# KiCad board SparkFun_GNSS_HAT+_panelized.kicad_pcb (continued)
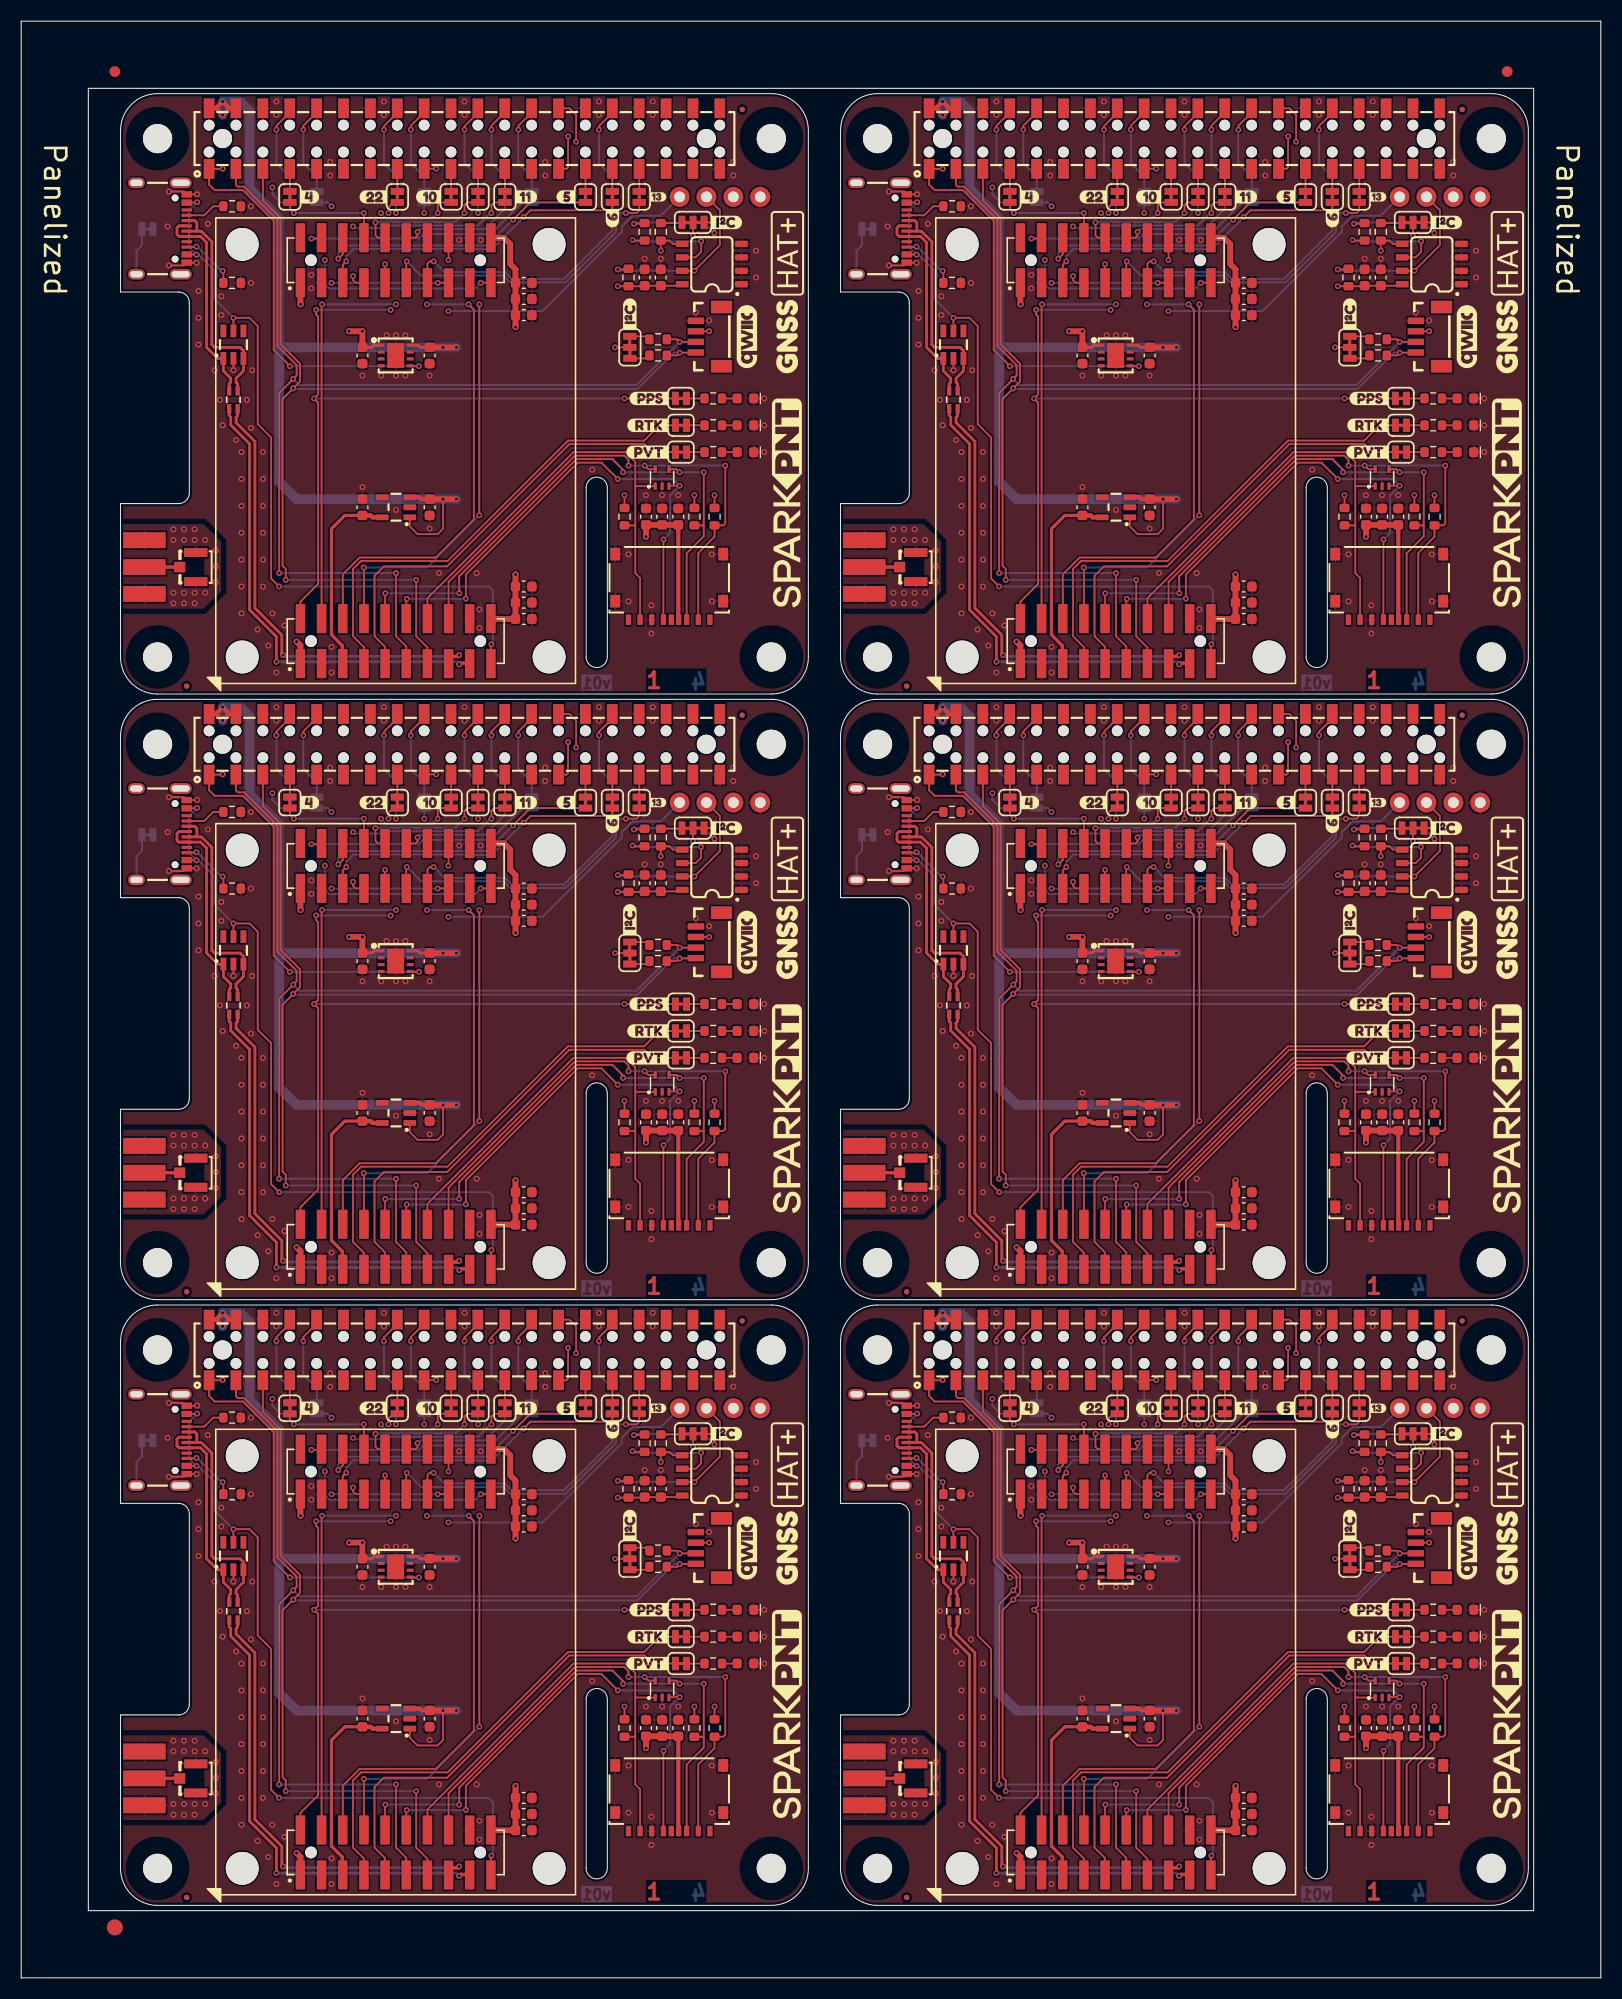
[diagram p0: board, top side]
## Routing (per net, layer and track width the routed paths; a pad name or vN(x,y) marks a point on that pad's centre or on a via; arc(x,y) is an arc through that point) (continued)
Pi_3V3: length 382.4
  Top w0.178: v1(87.08,113.76) 87.06,113.73 J1#6.1 85.8,112.25 86.32,111.72 88.99,111.72 91.91,108.8 91.91,96.61 v1(93.43,95.09) ; v1(39.23,113.76) 38.1,113.76 J1.17 ; J1#6.17 106.14,113.76 v1(107.28,113.76) ; v1(37.58,37.84) 36.8,37.84 36.76,37.88 ; 104.81,37.88 104.84,37.84 v1(105.62,37.84) ; U2#3.5 104.84,95.09 v1(105.62,95.09) ; v1(39.23,171.01) 38.1,171.01 J1#2.17 ; v1(93.43,37.84) 91.91,39.36 91.91,51.55 88.99,54.48 86.32,54.48 85.8,55 J1#3.1 87.06,56.48 v1(87.08,56.51) ; v1(25.39,95.09) 23.87,96.61 23.87,108.8 20.95,111.72 18.28,111.72 17.76,112.25 J1.1 19.02,113.73 v1(19.04,113.76) ; J1#4.17 38.1,56.51 v1(39.23,56.51) ; v1(107.28,171.01) 106.14,171.01 J1#5.17 ; v1(93.43,152.34) 91.91,153.86 91.91,166.05 88.99,168.97 86.32,168.97 85.8,169.5 J1#5.1 87.06,170.99 v1(87.08,171.01) ; v1(105.62,152.34) 104.84,152.34 U2.5 ; v1(37.58,95.09) 36.8,95.09 U2#6.5 ; v1(107.28,56.51) 106.14,56.51 J1#3.17 ; v1(25.39,37.84) 23.87,39.36 23.87,51.55 20.95,54.48 18.28,54.48 17.76,55 J1#4.1 19.02,56.48 v1(19.04,56.51) ; v1(19.04,171.01) 19.02,170.99 J1#2.1 17.76,169.5 18.28,168.97 20.95,168.97 23.87,166.05 23.87,153.86 v1(25.39,152.34) ; v1(37.58,152.34) 36.8,152.34 U2#2.5
  In2.Cu w0.178: v1(39.23,56.51) 39.11,56.63 39.11,58.92 38.73,59.3 24.5,59.3 24.12,58.92 24.12,57.14 23.49,56.51 v1(19.04,56.51) ; v1(39.23,171.01) 39.11,171.13 39.11,173.42 38.73,173.8 24.5,173.8 24.12,173.42 24.12,171.64 23.49,171.01 v1(19.04,171.01) ; v1(39.23,113.76) 39.11,113.88 39.11,116.17 38.73,116.55 24.5,116.55 24.12,116.17 24.12,114.39 23.49,113.76 v1(19.04,113.76) ; v1(87.08,171.01) 91.53,171.01 92.16,171.64 92.16,173.42 92.54,173.8 106.77,173.8 107.15,173.42 107.15,171.13 v1(107.28,171.01) ; v1(87.08,113.76) 91.53,113.76 92.16,114.39 92.16,116.17 92.54,116.55 106.77,116.55 107.15,116.17 107.15,113.88 v1(107.28,113.76) ; v1(107.28,56.51) 107.15,56.63 107.15,58.92 106.77,59.3 92.54,59.3 92.16,58.92 92.16,57.14 91.53,56.51 v1(87.08,56.51)
  Bottom w0.178: v1(105.62,152.34) v1(93.43,152.34) ; v1(105.62,95.09) v1(93.43,95.09) ; v1(37.58,152.34) v1(25.39,152.34) ; v1(25.39,95.09) v1(37.58,95.09) ; v1(25.39,37.84) v1(37.58,37.84) ; v1(105.62,37.84) v1(93.43,37.84)
PPS1: length 493.9
  Top w0.178: JP6#6.1 35.16,53.32 34.71,52.87 v1(34.71,52.32) ; v1(95.91,43.17) 95.91,42.73 96.1,42.54 96.1,35.17 v1(95.72,34.79) 96.1,34.41 96.1,17.26 94.43,15.59 J2#6.2 ; J2#2.2 26.39,72.84 28.06,74.51 28.06,91.66 v1(27.68,92.04) 28.06,92.42 28.06,99.79 27.87,99.98 v1(27.87,100.42) ; v1(27.87,43.17) 27.87,42.73 28.06,42.54 28.06,35.17 v1(27.68,34.79) 28.06,34.41 28.06,17.26 26.39,15.59 J2#3.2 ; JP6#2.1 103.2,167.82 102.75,167.37 v1(102.75,166.82) ; 94.43,128.47 94.43,130.09 96.1,131.76 96.1,148.91 v1(95.72,149.29) 96.1,149.67 96.1,157.04 95.91,157.23 v1(95.91,157.67) ; 26.39,128.47 26.39,130.09 28.06,131.76 28.06,148.91 v1(27.68,149.29) 28.06,149.67 28.06,157.04 27.87,157.23 v1(27.87,157.67) ; JP22#4.1 v1(57.01,92.04) ; JP22#5.1 v1(125.06,92.04) ; v1(34.71,166.82) 34.71,167.37 35.16,167.82 JP6#3.1 ; JP22.1 v1(125.06,149.29) ; JP6#5.1 35.16,110.57 34.71,110.12 v1(34.71,109.57) ; J2#5.2 94.43,72.84 96.1,74.51 96.1,91.66 v1(95.72,92.04) 96.1,92.42 96.1,99.79 95.91,99.98 v1(95.91,100.42) ; JP6#4.1 103.2,53.32 102.75,52.87 v1(102.75,52.32) ; JP6.1 103.2,110.57 102.75,110.12 v1(102.75,109.57) ; JP22#6.1 v1(57.01,149.29) ; JP22#2.1 v1(57.01,34.79) ; JP22#3.1 v1(125.06,34.79)
  In2.Cu w0.178: v1(34.92,43.16) 34.9,43.17 34.9,52.12 v1(34.71,52.32) ; v1(102.75,166.82) 102.94,166.62 102.94,157.67 v1(102.96,157.66) ; v1(102.75,109.57) 102.94,109.37 102.94,100.42 v1(102.96,100.41) ; v1(102.75,52.32) 102.94,52.12 102.94,43.17 v1(102.96,43.16) ; v1(34.71,166.82) 34.9,166.62 34.9,157.67 v1(34.92,157.66) ; v1(34.92,100.41) 34.9,100.42 34.9,109.37 v1(34.71,109.57)
  Bottom w0.178: v1(102.96,43.16) 95.92,43.16 v1(95.91,43.17) ; v1(125.06,149.29) v1(95.72,149.29) ; v1(34.92,43.16) 27.88,43.16 v1(27.87,43.17) ; v1(27.87,100.42) 27.88,100.41 v1(34.92,100.41) ; v1(102.96,157.66) 95.92,157.66 v1(95.91,157.67) ; v1(95.91,100.42) 95.92,100.41 v1(102.96,100.41) ; v1(57.01,149.29) v1(27.68,149.29) ; v1(57.01,34.79) v1(27.68,34.79) ; v1(125.06,92.04) v1(95.72,92.04) ; v1(57.01,92.04) v1(27.68,92.04) ; v1(125.06,34.79) v1(95.72,34.79) ; v1(34.92,157.66) 27.88,157.66 v1(27.87,157.67)
PPS2: length 278.4
  Top w0.178: v1(28.44,100.93) 28.39,100.88 J2#2.4 ; v1(96.48,100.93) 96.43,100.88 J2#5.4 ; J2#3.4 28.39,43.63 v1(28.44,43.68) ; 96.43,128.47 96.43,158.13 v1(96.48,158.18) ; v1(96.48,43.68) 96.43,43.63 J2#6.4 ; v1(28.44,158.18) 28.39,158.13 28.39,128.47
  In2.Cu w0.178: v1(103.47,100.93) v1(103.47,109.57) ; v1(103.47,158.18) v1(103.47,166.82) ; v1(35.42,100.93) v1(35.42,109.57) ; v1(35.42,158.18) v1(35.42,166.82) ; v1(103.47,43.68) v1(103.47,52.32) ; v1(35.42,43.68) v1(35.42,52.32)
  Bottom w0.178: v1(28.44,43.68) v1(35.42,43.68) ; v1(103.47,166.82) 103.47,167.69 JP7#4.1 ; JP7#6.1 35.42,53.19 v1(35.42,52.32) ; v1(96.48,158.18) v1(103.47,158.18) ; v1(28.44,158.18) v1(35.42,158.18) ; JP7.1 35.42,110.44 v1(35.42,109.57) ; v1(96.48,43.68) v1(103.47,43.68) ; v1(96.48,100.93) v1(103.47,100.93) ; v1(103.47,52.32) 103.47,53.19 JP7#2.1 ; JP7#5.1 103.47,110.44 v1(103.47,109.57) ; v1(28.44,100.93) v1(35.42,100.93) ; v1(35.42,166.82) 35.42,167.69 JP7#3.1
PVT_LED: length 255.7
  Top w0.178: J2.9 102.43,125.81 101.43,126.81 101.43,132.53 102.32,133.41 108.29,133.41 119.85,144.97 126.96,144.97 127.72,144.21 JP21#6.1 ; 102.43,66.98 102.43,68.56 101.43,69.56 101.43,75.28 102.32,76.16 108.29,76.16 119.85,87.72 126.96,87.72 127.72,86.96 JP21#4.1 ; J2#6.9 102.43,11.31 101.43,12.31 101.43,18.03 102.32,18.92 108.29,18.92 119.85,30.47 126.96,30.47 127.72,29.71 JP21#3.1 ; JP21#2.1 59.68,29.71 58.92,30.47 51.81,30.47 40.25,18.92 34.28,18.92 33.39,18.03 33.39,12.31 34.39,11.31 J2#3.9 ; JP21#5.1 59.68,86.96 58.92,87.72 51.81,87.72 40.25,76.16 34.28,76.16 33.39,75.28 33.39,69.56 34.39,68.56 34.39,66.98 ; JP21.1 59.68,144.21 58.92,144.97 51.81,144.97 40.25,133.41 34.28,133.41 33.39,132.53 33.39,126.81 34.39,125.81 J2#4.9
RTK_LED: length 272.7
  Top w0.178: JP20#4.1 60.32,32.25 58.87,30.8 51.67,30.8 40.29,19.42 32.12,19.42 31.36,18.66 31.36,12.31 32.39,11.28 J2#3.7 ; JP20#6.1 128.36,146.75 126.91,145.3 119.71,145.3 108.33,133.92 100.16,133.92 99.4,133.16 99.4,126.81 100.43,125.78 J2.7 ; J2#6.7 100.43,11.28 99.4,12.31 99.4,18.66 100.16,19.42 108.33,19.42 119.71,30.8 126.91,30.8 128.36,32.25 JP20#2.1 ; JP20#3.1 60.32,146.75 58.87,145.3 51.67,145.3 40.29,133.92 32.12,133.92 31.36,133.16 31.36,126.81 32.39,125.78 J2#4.7 ; 32.39,66.98 32.39,68.53 31.36,69.56 31.36,75.91 32.12,76.67 40.29,76.67 51.67,88.05 58.87,88.05 60.32,89.5 JP20#5.1 ; JP20.1 128.36,89.5 126.91,88.05 119.71,88.05 108.33,76.67 100.16,76.67 99.4,75.91 99.4,69.56 100.43,68.53 100.43,66.98
RTS2: length 88.7
  Top w0.178: v1(34.38,161.99) 34.38,160.23 J4#3.9 ; v1(107.4,52.32) 107.4,53.2 107.52,53.32 JP16#2.2 ; v1(39.36,109.57) 39.36,110.45 39.48,110.57 JP16#4.2 ; J4#2.9 34.38,45.73 v1(34.38,47.49) ; v1(102.42,47.49) 102.42,45.73 J4#5.9 ; JP16#5.2 107.52,110.57 107.4,110.45 v1(107.4,109.57) ; J4#6.9 102.42,102.98 v1(102.42,104.74) ; JP16#3.2 39.48,53.32 39.36,53.2 v1(39.36,52.32) ; v1(39.36,166.82) 39.36,167.71 39.48,167.82 JP16.2 ; J4.9 34.38,102.98 v1(34.38,104.74) ; JP16#6.2 107.52,167.82 107.4,167.71 v1(107.4,166.82) ; v1(102.42,161.99) 102.42,160.23 J4#4.9
  In2.Cu w0.178: v1(34,109.57) 34,105.12 v1(34.38,104.74) ; v1(34.38,161.99) 34,162.37 v1(34,166.82) ; v1(102.04,52.32) 102.04,47.87 v1(102.42,47.49) ; v1(102.04,166.82) 102.04,162.37 v1(102.42,161.99) ; v1(34.38,47.49) 34,47.87 v1(34,52.32) ; v1(102.04,109.57) 102.04,105.12 v1(102.42,104.74)
  Bottom w0.178: v1(107.4,166.82) 106.88,166.29 105.89,166.29 105.88,166.31 105.86,166.29 102.54,166.29 102.04,166.79 v1(102.04,166.82) ; v1(102.04,109.57) 102.04,109.54 102.54,109.04 105.86,109.04 105.88,109.06 105.89,109.04 106.88,109.04 v1(107.4,109.57) ; v1(34,109.57) 34,109.54 34.5,109.04 37.82,109.04 37.84,109.06 37.85,109.04 38.84,109.04 v1(39.36,109.57) ; v1(34,52.32) 34,52.29 34.5,51.79 37.82,51.79 37.84,51.81 37.85,51.79 38.84,51.79 v1(39.36,52.32) ; v1(107.4,52.32) 106.88,51.79 105.89,51.79 105.88,51.81 105.86,51.79 102.54,51.79 102.04,52.29 v1(102.04,52.32) ; v1(39.36,166.82) 38.84,166.29 37.85,166.29 37.84,166.31 37.82,166.29 34.5,166.29 34,166.79 v1(34,166.82)
RTS3: length 181.8
  Top w0.178: v1(47.49,51.94) 48.12,52.57 55.75,52.57 55.87,52.7 JP12#2.2 ; v1(115.53,166.44) 116.16,167.07 123.78,167.07 123.91,167.2 JP12#6.2 ; J4#3.5 30.39,161.91 v1(30.73,162.24) ; v1(47.49,109.19) 48.12,109.82 55.75,109.82 55.87,109.95 JP12#3.2 ; v1(98.77,104.99) 98.43,104.66 J4#6.5 ; v1(30.73,47.74) 30.39,47.41 J4#2.5 ; v1(30.73,104.99) 30.39,104.66 J4.5 ; v1(98.77,162.24) 98.43,161.91 J4#4.5 ; v1(115.53,51.94) 116.16,52.57 123.78,52.57 123.91,52.7 JP12#5.2 ; v1(47.49,166.44) 48.12,167.07 55.75,167.07 55.87,167.2 JP12.2 ; JP12#4.2 123.91,109.95 123.78,109.82 116.16,109.82 v1(115.53,109.19) ; J4#5.5 98.43,47.41 v1(98.77,47.74)
  Bottom w0.178: v1(98.77,162.24) 98.77,162.75 99.44,163.42 111.05,163.42 111.08,163.39 112.48,163.39 v1(115.53,166.44) ; v1(47.49,166.44) 44.44,163.39 43.04,163.39 43.01,163.42 31.4,163.42 30.73,162.75 v1(30.73,162.24) ; v1(98.77,47.74) 98.77,48.25 99.44,48.92 111.05,48.92 111.08,48.89 112.48,48.89 v1(115.53,51.94) ; v1(115.53,109.19) 112.48,106.14 111.08,106.14 111.05,106.17 99.44,106.17 98.77,105.5 v1(98.77,104.99) ; v1(30.73,104.99) 30.73,105.5 31.4,106.17 43.01,106.17 43.04,106.14 44.44,106.14 v1(47.49,109.19) ; v1(47.49,51.94) 44.44,48.89 43.04,48.89 43.01,48.92 31.4,48.92 30.73,48.25 v1(30.73,47.74)
RXD1: length 191.7
  Top w0.178: v1(111.47,102.96) 111.48,102.97 J4#6.19 ; J4#5.19 111.48,45.73 v1(111.47,45.71) ; v1(43.43,160.21) 43.44,160.22 J4#3.19 ; J4#4.19 111.48,160.22 v1(111.47,160.21) ; v1(43.43,102.96) 43.44,102.97 J4.19 ; v1(43.43,45.71) 43.44,45.73 J4#2.19
  In2.Cu w0.178: v1(91.78,169.23) 92.92,168.09 96.48,168.09 96.73,167.83 v1(96.73,162.37) ; v1(91.78,111.98) 92.92,110.84 96.48,110.84 96.73,110.58 v1(96.73,105.12) ; v1(28.69,105.12) 28.69,110.58 28.44,110.84 24.88,110.84 v1(23.74,111.98) ; v1(28.69,47.87) 28.69,53.33 28.44,53.59 24.88,53.59 v1(23.74,54.73) ; v1(96.73,47.87) 96.73,53.33 96.48,53.59 92.92,53.59 v1(91.78,54.73) ; v1(28.69,162.37) 28.69,167.83 28.44,168.09 24.88,168.09 v1(23.74,169.23)
  Bottom w0.178: v1(43.43,102.96) 42.9,102.44 29.11,102.44 28.69,102.86 v1(28.69,105.12) ; JP4#2.1 92.56,110.57 91.78,111.34 v1(91.78,111.98) ; v1(91.78,169.23) 91.78,168.59 92.56,167.82 JP4#3.1 ; JP4.1 92.56,53.32 91.78,54.09 v1(91.78,54.73) ; v1(111.47,102.96) 110.94,102.44 97.15,102.44 96.73,102.86 v1(96.73,105.12) ; v1(23.74,169.23) 23.74,168.59 24.52,167.82 JP4#4.1 ; v1(43.43,160.21) 42.9,159.69 29.11,159.69 28.69,160.11 v1(28.69,162.37) ; JP4#6.1 24.52,110.57 23.74,111.34 v1(23.74,111.98) ; v1(96.73,47.87) 96.73,45.61 97.15,45.19 110.94,45.19 v1(111.47,45.71) ; v1(96.73,162.37) 96.73,160.11 97.15,159.69 110.94,159.69 v1(111.47,160.21) ; v1(43.43,45.71) 42.9,45.19 29.11,45.19 28.69,45.61 v1(28.69,47.87) ; JP4#5.1 24.52,53.32 23.74,54.09 v1(23.74,54.73)
RXD2: length 67.8
  Top w0.178: J4#6.12 105.31,107.22 105.5,107.41 v1(105.5,107.79) ; J4#2.12 37.28,49.98 37.46,50.16 v1(37.46,50.54) ; v1(37.46,107.79) 37.46,107.41 37.28,107.22 J4.12 ; J4#4.12 105.31,164.47 105.5,164.66 v1(105.5,165.04) ; J4#5.12 105.31,49.98 105.5,50.16 v1(105.5,50.54) ; v1(37.46,165.04) 37.46,164.66 37.28,164.47 J4#3.12
  Bottom w0.178: JP14#4.2 113.75,109.95 111.85,108.04 105.75,108.04 v1(105.5,107.79) ; JP14.2 45.71,109.95 43.81,108.04 37.71,108.04 v1(37.46,107.79) ; v1(105.5,165.04) 105.75,165.29 111.85,165.29 113.75,167.2 JP14#2.2 ; v1(37.46,50.54) 37.71,50.79 43.81,50.79 45.71,52.7 JP14#5.2 ; JP14#3.2 45.71,167.2 43.81,165.29 37.71,165.29 v1(37.46,165.04) ; JP14#6.2 113.75,52.7 111.85,50.79 105.75,50.79 v1(105.5,50.54)
RXD3: length 60.7
  Top w0.178: v1(25.77,166.82) 25.39,167.2 JP10.2 ; JP10#4.2 25.39,52.7 v1(25.77,52.32) ; J4#5.8 100.43,52.05 100.42,52.06 v1(100.42,52.32) ; v1(32.38,166.82) 32.38,166.56 32.39,166.55 J4#3.8 ; JP10#2.2 93.43,109.95 v1(93.81,109.57) ; JP10#3.2 25.39,109.95 v1(25.77,109.57) ; v1(32.38,52.32) 32.38,52.06 32.39,52.05 J4#2.8 ; v1(32.38,109.57) 32.38,109.31 32.39,109.3 J4.8 ; J4#4.8 100.43,166.55 100.42,166.56 v1(100.42,166.82) ; v1(100.42,109.57) 100.42,109.31 100.43,109.3 J4#6.8 ; v1(93.81,166.82) 93.43,167.2 JP10#5.2 ; v1(93.81,52.32) 93.43,52.7 JP10#6.2
  Bottom w0.178: v1(93.81,52.32) v1(100.42,52.32) ; v1(25.77,52.32) v1(32.38,52.32) ; v1(93.81,166.82) v1(100.42,166.82) ; v1(93.81,109.57) v1(100.42,109.57) ; v1(25.77,109.57) v1(32.38,109.57) ; v1(25.77,166.82) v1(32.38,166.82)
RXD4: length 147.7
  Top w0.178: J4#5.13 106.43,47.53 106.64,47.74 v1(107.02,47.74) ; J4#2.13 38.39,47.53 38.6,47.74 v1(38.98,47.74) ; J4#4.13 106.43,162.03 106.64,162.24 v1(107.02,162.24) ; J4#6.13 106.43,104.78 106.64,104.99 v1(107.02,104.99) ; v1(38.98,162.24) 38.6,162.24 38.39,162.03 J4#3.13 ; v1(38.98,104.99) 38.6,104.99 38.39,104.78 J4.13
  Bottom w0.178: JP18#5.2 55.87,165.16 51.3,160.59 46.35,160.59 45.71,161.23 40,161.23 v1(38.98,162.24) ; JP18#6.2 123.91,107.92 119.34,103.34 114.39,103.34 113.75,103.98 108.04,103.98 v1(107.02,104.99) ; v1(107.02,47.74) 108.04,46.73 113.75,46.73 114.39,46.09 119.34,46.09 123.91,50.67 JP18.2 ; v1(38.98,104.99) 40,103.98 45.71,103.98 46.35,103.34 51.3,103.34 55.87,107.92 JP18#3.2 ; v1(38.98,47.74) 40,46.73 45.71,46.73 46.35,46.09 51.3,46.09 55.87,50.67 JP18#4.2 ; v1(107.02,162.24) 108.04,161.23 113.75,161.23 114.39,160.59 119.34,160.59 123.91,165.16 JP18#2.2
SCL: length 615.6
  Top w0.178: J1#5.5 90.88,168.02 92.57,166.33 92.57,154.41 94.4,152.58 94.4,150.89 v1(93.75,150.24) 92.75,149.24 92.75,133.47 93.05,133.16 v1(93.05,132.15) ; v1(25.01,17.64) 25.01,18.66 24.71,18.97 24.71,34.74 v1(25.71,35.74) 26.36,36.39 26.36,38.08 24.53,39.91 24.53,51.83 22.84,53.52 J1#4.5 ; 129.06,38.85 130.01,38.85 v1(130.26,39.11) 131.78,39.11 J8#6.4 ; J1.5 22.84,110.77 24.53,109.08 24.53,97.16 26.36,95.33 26.36,93.64 v1(25.71,92.99) 24.71,91.99 24.71,76.22 25.01,75.91 v1(25.01,74.9) ; 106.43,66.98 106.43,68.5 105.37,69.56 v1(105.37,74.9) ; J2#6.13 106.43,11.25 105.37,12.31 v1(105.37,17.64) ; 38.39,66.98 38.39,68.5 37.33,69.56 v1(37.33,74.9) ; R5#3.1 61.97,96.1 v1(62.22,96.36) 63.73,96.36 J8#4.4 ; R5#6.1 61.97,153.35 v1(62.22,153.61) 63.73,153.61 J8.4 ; 129.06,96.1 130.01,96.1 v1(130.26,96.36) 131.78,96.36 J8#3.4 ; J1#3.5 90.88,53.52 92.57,51.83 92.57,39.91 94.4,38.08 94.4,36.39 v1(93.75,35.74) 92.75,34.74 92.75,18.97 93.05,18.66 v1(93.05,17.64) ; 129.06,153.35 130.01,153.35 v1(130.26,153.61) 131.78,153.61 J8#2.4 ; J1#6.5 90.88,110.77 92.57,109.08 92.57,97.16 94.4,95.33 94.4,93.64 v1(93.75,92.99) 92.75,91.99 92.75,76.22 93.05,75.91 v1(93.05,74.9) ; v1(105.37,132.15) 105.37,126.81 106.43,125.75 J2.13 ; R5#2.1 61.97,38.85 v1(62.22,39.11) 63.73,39.11 J8#5.4 ; J1#2.5 22.84,168.02 24.53,166.33 24.53,154.41 26.36,152.58 26.36,150.89 v1(25.71,150.24) 24.71,149.24 24.71,133.47 25.01,133.16 v1(25.01,132.15) ; v1(37.33,132.15) 37.33,126.81 38.39,125.75 J2#4.13 ; J2#3.13 38.39,11.25 37.33,12.31 v1(37.33,17.64)
  Bottom w0.178: v1(93.05,17.64) v1(105.37,17.64) ; v1(93.75,150.24) 93.81,150.18 126.28,150.18 129.71,153.61 v1(130.26,153.61) ; v1(25.71,92.99) 25.77,92.93 58.24,92.93 61.67,96.36 v1(62.22,96.36) ; v1(25.71,150.24) 25.77,150.18 58.24,150.18 61.67,153.61 v1(62.22,153.61) ; v1(93.05,132.15) v1(105.37,132.15) ; v1(25.01,132.15) v1(37.33,132.15) ; v1(62.22,39.11) 61.67,39.11 58.24,35.68 25.77,35.68 v1(25.71,35.74) ; v1(93.75,92.99) 93.81,92.93 126.28,92.93 129.71,96.36 v1(130.26,96.36) ; v1(25.01,74.9) v1(37.33,74.9) ; v1(93.05,74.9) v1(105.37,74.9) ; v1(93.75,35.74) 93.81,35.68 126.28,35.68 129.71,39.11 v1(130.26,39.11) ; v1(25.01,17.64) v1(37.33,17.64)
SD_CLK: length 297.4
  Top w0.178: 129.26,83.75 129.3,83.78 v1(130.26,83.78) ; v1(36.44,15.85) 36.39,15.8 J2#3.12 ; v1(42.03,130.37) 42.03,132.65 52.6,143.22 54.83,143.22 v1(56.38,141.67) ; 60.69,13.88 60.69,21.45 v1(60.7,21.45) ; J2#4.12 36.39,130.3 v1(36.44,130.35) ; J5#3.5 128.73,78.7 v1(128.74,78.71) ; v1(104.48,73.1) 104.43,73.05 J2#5.12 ; v1(104.48,130.35) 104.43,130.3 J2.12 ; v1(128.74,21.45) 128.73,21.45 128.73,13.88 ; v1(56.38,84.42) 54.83,85.97 52.6,85.97 42.03,75.4 v1(42.03,73.12) ; D2#2.3 61.26,26.53 v1(62.22,26.53) ; J5#6.5 60.69,135.95 v1(60.7,135.96) ; v1(110.07,15.87) 110.07,18.15 120.64,28.72 122.87,28.72 v1(124.42,27.17) ; v1(62.22,83.78) 61.26,83.78 61.22,83.75 ; v1(130.26,141.03) 129.3,141.03 D2#5.3 ; v1(104.48,15.85) 104.43,15.8 J2#6.12 ; v1(42.03,15.87) 42.03,18.15 52.6,28.72 54.83,28.72 v1(56.38,27.17) ; v1(110.07,130.37) 110.07,132.65 120.64,143.22 122.87,143.22 v1(124.42,141.67) ; v1(110.07,73.12) 110.07,75.4 120.64,85.97 122.87,85.97 v1(124.42,84.42) ; v1(130.26,26.53) 129.3,26.53 D2#3.3 ; v1(60.7,78.71) 60.69,78.7 J5#2.5 ; J5#4.5 128.73,135.95 v1(128.74,135.96) ; D2#6.3 61.26,141.03 v1(62.22,141.03) ; J2#2.12 36.39,73.05 v1(36.44,73.1)
  Bottom w0.178: v1(60.7,78.71) 61.33,79.34 61.33,82.9 v1(62.22,83.78) 61.59,84.42 v1(56.38,84.42) ; v1(124.42,84.42) 129.63,84.42 v1(130.26,83.78) 129.37,82.9 129.37,79.34 v1(128.74,78.71) ; v1(36.44,15.85) 42.02,15.85 v1(42.03,15.87) ; v1(104.48,73.1) 110.06,73.1 v1(110.07,73.12) ; v1(56.38,141.67) 61.59,141.67 v1(62.22,141.03) 61.33,140.15 61.33,136.59 v1(60.7,135.96) ; v1(110.07,130.37) 110.06,130.35 v1(104.48,130.35) ; v1(110.07,15.87) 110.06,15.85 v1(104.48,15.85) ; v1(36.44,73.1) 42.02,73.1 v1(42.03,73.12) ; v1(42.03,130.37) 42.02,130.35 v1(36.44,130.35) ; v1(124.42,27.17) 129.63,27.17 v1(130.26,26.53) 129.37,25.65 129.37,22.09 v1(128.74,21.45) ; v1(128.74,135.96) 129.37,136.59 129.37,140.15 v1(130.26,141.03) 129.63,141.67 v1(124.42,141.67) ; v1(56.38,27.17) 61.59,27.17 v1(62.22,26.53) 61.33,25.65 61.33,22.09 v1(60.7,21.45)
SD_CMD: length 335.9
  Top w0.178: J5#4.3 130.93,134.65 132.55,136.27 132.55,137.22 ; 62.89,13.88 62.89,20.15 64.51,21.77 64.51,22.73 ; v1(56.89,85.06) 56.89,85.28 55.87,86.3 52.46,86.3 41.39,75.23 v1(41.39,73.62) ; 132.55,79.97 132.48,80.04 R7#2.1 ; 132.55,79.97 v1(132.55,85.06) ; 132.55,79.97 132.55,79.02 130.93,77.4 J5#3.3 ; J2#4.10 34.39,130.86 v1(34.41,130.88) ; 132.55,22.73 132.55,21.77 130.93,20.15 130.93,13.88 ; 132.55,22.73 132.48,22.79 R7.1 ; 132.55,22.73 v1(132.55,27.81) ; 132.55,137.22 132.48,137.29 R7#6.1 ; 132.55,137.22 v1(132.55,142.31) ; v1(124.93,142.31) 124.93,142.53 123.91,143.55 120.5,143.55 109.43,132.48 v1(109.43,130.88) ; v1(64.51,85.06) 64.51,79.97 ; 64.51,79.97 64.44,80.04 R7#5.1 ; 64.51,79.97 64.51,79.02 62.89,77.4 J5#2.3 ; 64.51,137.22 64.51,136.27 62.89,134.65 J5#6.3 ; 64.51,137.22 v1(64.51,142.31) ; 64.51,137.22 64.44,137.29 R7#3.1 ; 129.26,28.1 129.97,28.1 v1(130.26,27.81) ; v1(41.39,130.88) 41.39,132.48 52.46,143.55 55.87,143.55 56.89,142.53 v1(56.89,142.31) ; v1(130.26,142.31) 129.97,142.6 D2#5.4 ; J2#2.10 34.39,73.61 v1(34.41,73.62) ; D2#4.4 129.97,85.35 v1(130.26,85.06) ; 61.22,28.1 61.93,28.1 v1(62.22,27.81) ; v1(102.45,130.88) 102.43,130.86 J2.10 ; v1(34.41,16.38) 34.39,16.36 J2#3.10 ; v1(109.43,16.38) 109.43,17.98 120.5,29.05 123.91,29.05 124.93,28.03 v1(124.93,27.81) ; D2.4 61.93,85.35 v1(62.22,85.06) ; D2#6.4 61.93,142.6 v1(62.22,142.31) ; v1(41.39,16.38) 41.39,17.98 52.46,29.05 55.87,29.05 56.89,28.03 v1(56.89,27.81) ; 64.51,22.73 v1(64.51,27.81) ; 64.51,22.73 64.44,22.79 R7#4.1 ; J2#5.10 102.43,73.61 v1(102.45,73.62) ; v1(102.45,16.38) 102.43,16.36 J2#6.10 ; v1(109.43,73.62) 109.43,75.23 120.5,86.3 123.91,86.3 124.93,85.28 v1(124.93,85.06)
  Bottom w0.178: v1(102.45,16.38) v1(109.43,16.38) ; v1(132.55,27.81) v1(130.26,27.81) v1(124.93,27.81) ; v1(64.51,85.06) v1(62.22,85.06) v1(56.89,85.06) ; v1(102.45,73.62) v1(109.43,73.62) ; v1(132.55,142.31) v1(130.26,142.31) v1(124.93,142.31) ; v1(124.93,85.06) v1(130.26,85.06) v1(132.55,85.06) ; v1(64.51,142.31) v1(62.22,142.31) v1(56.89,142.31) ; v1(34.41,73.62) v1(41.39,73.62) ; v1(34.41,130.88) v1(41.39,130.88) ; v1(34.41,16.38) v1(41.39,16.38) ; v1(64.51,27.81) v1(62.22,27.81) v1(56.89,27.81) ; v1(102.45,130.88) v1(109.43,130.88)
SD_DAT0: length 274.5
  Top w0.178: R8#2.1 126.01,22.79 126.07,22.85 ; 126.07,22.85 126.07,18.28 126.53,17.82 126.53,13.88 ; 126.07,22.85 126.07,26.53 ; J2#5.14 106.43,73.16 120.23,86.96 125.18,86.96 126.07,86.07 126.07,83.78 ; 58.03,141.03 58.03,137.35 ; 58.03,141.03 58.03,143.32 57.14,144.21 52.19,144.21 38.39,130.41 J2#4.14 ; 58.03,141.03 58.07,141 D2#6.1 ; 58.03,137.35 58.03,132.78 58.49,132.32 J5#6.7 ; 58.03,137.35 57.97,137.29 R8#3.1 ; 126.07,141.03 126.07,137.35 ; 126.07,141.03 126.07,143.32 125.18,144.21 120.23,144.21 106.43,130.41 J2.14 ; 126.07,141.03 126.11,141 D2#5.1 ; 126.07,137.35 126.01,137.29 R8#6.1 ; 126.07,137.35 126.07,132.78 126.53,132.32 J5#4.7 ; J5#3.7 126.53,75.07 126.07,75.53 126.07,80.1 ; 59.92,83.75 58.07,83.75 58.03,83.78 ; D2#3.1 126.11,26.5 126.07,26.53 ; 126.07,26.53 126.07,28.82 125.18,29.71 120.23,29.71 106.43,15.91 J2#6.14 ; 126.07,83.78 126.07,80.1 ; 126.07,83.78 126.11,83.75 127.96,83.75 ; 126.07,80.1 126.01,80.04 R8#4.1 ; 58.03,26.53 58.07,26.5 D2#2.1 ; 58.03,26.53 58.03,22.85 ; 58.03,26.53 58.03,28.82 57.14,29.71 52.19,29.71 38.39,15.91 J2#3.14 ; 58.49,13.88 58.49,17.82 58.03,18.28 58.03,22.85 ; 58.03,22.85 57.97,22.79 R8.1 ; 58.03,83.78 58.03,80.1 ; 58.03,83.78 58.03,86.07 57.14,86.96 52.19,86.96 38.39,73.16 J2#2.14 ; 58.03,80.1 57.97,80.04 R8#5.1 ; 58.03,80.1 58.03,75.53 58.49,75.07 J5#2.7
SD_DAT3: length 315.1
  Top w0.178: J2#6.16 108.43,17.44 120.37,29.38 125.05,29.38 125.44,28.99 v1(125.44,28.44) ; J5#3.2 132.03,77.43 133.56,78.96 R6#6.1 134.39,80.04 134.58,80.23 v1(134.58,85.69) ; v1(134.58,142.94) 134.58,137.48 134.39,137.29 R6#4.1 133.56,136.21 132.03,134.68 J5#4.2 ; 132.03,13.88 132.03,20.17 133.56,21.71 R6#2.1 134.39,22.79 134.58,22.98 v1(134.58,28.44) ; 127.96,28.1 127.3,28.1 v1(126.96,28.44) ; v1(125.44,142.94) 125.44,143.49 125.05,143.88 120.37,143.88 108.43,131.94 J2.16 ; v1(66.54,142.94) 66.54,137.48 66.35,137.29 R6#3.1 65.52,136.21 63.99,134.68 J5#6.2 ; J2#5.16 108.43,74.69 120.37,86.63 125.05,86.63 125.44,86.24 v1(125.44,85.69) ; v1(66.54,28.44) 66.54,22.98 66.35,22.79 R6.1 65.52,21.71 63.99,20.17 63.99,13.88 ; v1(57.4,85.69) 57.4,86.24 57.01,86.63 52.33,86.63 40.39,74.69 J2#2.16 ; v1(126.96,85.69) 127.3,85.35 D2#4.5 ; J5#2.2 63.99,77.43 65.52,78.96 R6#5.1 66.35,80.04 66.54,80.23 v1(66.54,85.69) ; v1(58.92,28.44) 59.26,28.1 59.92,28.1 ; v1(58.92,85.69) 59.26,85.35 D2.5 ; J2#3.16 40.39,17.44 52.33,29.38 57.01,29.38 57.4,28.99 v1(57.4,28.44) ; v1(126.96,142.94) 127.3,142.6 D2#5.5 ; v1(57.4,142.94) 57.4,143.49 57.01,143.88 52.33,143.88 40.39,131.94 J2#4.16 ; v1(58.92,142.94) 59.26,142.6 D2#6.5
  Bottom w0.178: v1(57.4,85.69) v1(58.92,85.69) v1(66.54,85.69) ; v1(125.44,28.44) v1(126.96,28.44) v1(134.58,28.44) ; v1(134.58,142.94) v1(126.96,142.94) v1(125.44,142.94) ; v1(125.44,85.69) v1(126.96,85.69) v1(134.58,85.69) ; v1(57.4,142.94) v1(58.92,142.94) v1(66.54,142.94) ; v1(57.4,28.44) v1(58.92,28.44) v1(66.54,28.44)
SDA: length 617.4
  Top w0.178: v1(35.42,75.53) 35.42,69.56 36.39,68.6 36.39,66.98 ; v1(92.42,18.28) 92.42,35.3 v1(93.75,36.63) 94.07,36.95 94.07,37.94 92.24,39.77 92.24,51.69 89.12,54.81 88.53,54.81 88.34,55 J1#3.3 ; J8#4.3 63.75,97.37 v1(62.22,97.37) 61.97,97.63 R4#4.1 ; v1(24.38,132.78) 24.38,149.8 v1(25.71,151.13) 26.03,151.45 26.03,152.44 24.2,154.27 24.2,166.19 21.08,169.31 20.49,169.31 20.3,169.5 J1#2.3 ; v1(103.47,18.28) 103.47,12.31 104.43,11.35 J2#6.11 ; R4.1 61.97,40.38 v1(62.22,40.12) 63.75,40.12 J8#5.3 ; J1#6.3 88.34,112.25 88.53,112.06 89.12,112.06 92.24,108.94 92.24,97.02 94.07,95.19 94.07,94.2 v1(93.75,93.88) 92.42,92.55 v1(92.42,75.53) ; J2.11 104.43,125.85 103.47,126.81 v1(103.47,132.78) ; v1(35.42,132.78) 35.42,126.81 36.39,125.85 J2#4.11 ; J8#6.3 131.79,40.12 v1(130.26,40.12) 130.01,40.38 129.06,40.38 ; v1(24.38,18.28) 24.38,35.3 v1(25.71,36.63) 26.03,36.95 26.03,37.94 24.2,39.77 24.2,51.69 21.08,54.81 20.49,54.81 20.3,55 J1#4.3 ; J1#5.3 88.34,169.5 88.53,169.31 89.12,169.31 92.24,166.19 92.24,154.27 94.07,152.44 94.07,151.45 v1(93.75,151.13) 92.42,149.8 v1(92.42,132.78) ; 104.43,66.98 104.43,68.6 103.47,69.56 v1(103.47,75.53) ; v1(24.38,75.53) 24.38,92.55 v1(25.71,93.88) 26.03,94.2 26.03,95.19 24.2,97.02 24.2,108.94 21.08,112.06 20.49,112.06 20.3,112.25 J1.3 ; v1(35.42,18.28) 35.42,12.31 36.39,11.35 J2#3.11 ; J8#2.3 131.79,154.62 v1(130.26,154.62) 130.01,154.88 129.06,154.88 ; 129.06,97.63 130.01,97.63 v1(130.26,97.37) 131.79,97.37 J8#3.3 ; J8.3 63.75,154.62 v1(62.22,154.62) 61.97,154.88 R4#6.1
  Bottom w0.178: v1(93.75,36.63) 94.32,36.06 126.2,36.06 v1(130.26,40.12) ; v1(93.75,93.88) 94.32,93.31 126.2,93.31 v1(130.26,97.37) ; v1(93.75,151.13) 94.32,150.56 126.2,150.56 v1(130.26,154.62) ; v1(24.38,75.53) v1(35.42,75.53) ; v1(24.38,132.78) v1(35.42,132.78) ; v1(25.71,36.63) 26.28,36.06 58.16,36.06 v1(62.22,40.12) ; v1(92.42,132.78) v1(103.47,132.78) ; v1(24.38,18.28) v1(35.42,18.28) ; v1(62.22,97.37) 58.16,93.31 26.28,93.31 v1(25.71,93.88) ; v1(92.42,75.53) v1(103.47,75.53) ; v1(92.42,18.28) v1(103.47,18.28) ; v1(25.71,151.13) 26.28,150.56 58.16,150.56 v1(62.22,154.62)